# Altium PCB RockerBox_Rev01.PcbDoc (part 8 of 8)
Units mil, origin at the board's own origin, x right, y up, seen from the top; angles counter-clockwise.
Board outline 5354.33 x 8818.9 mil, 4 copper layers (L1, L2, L3, L4), stack 62.087 mil thick; 579 components, 159 nets, 3624 pads, 3252 vias.
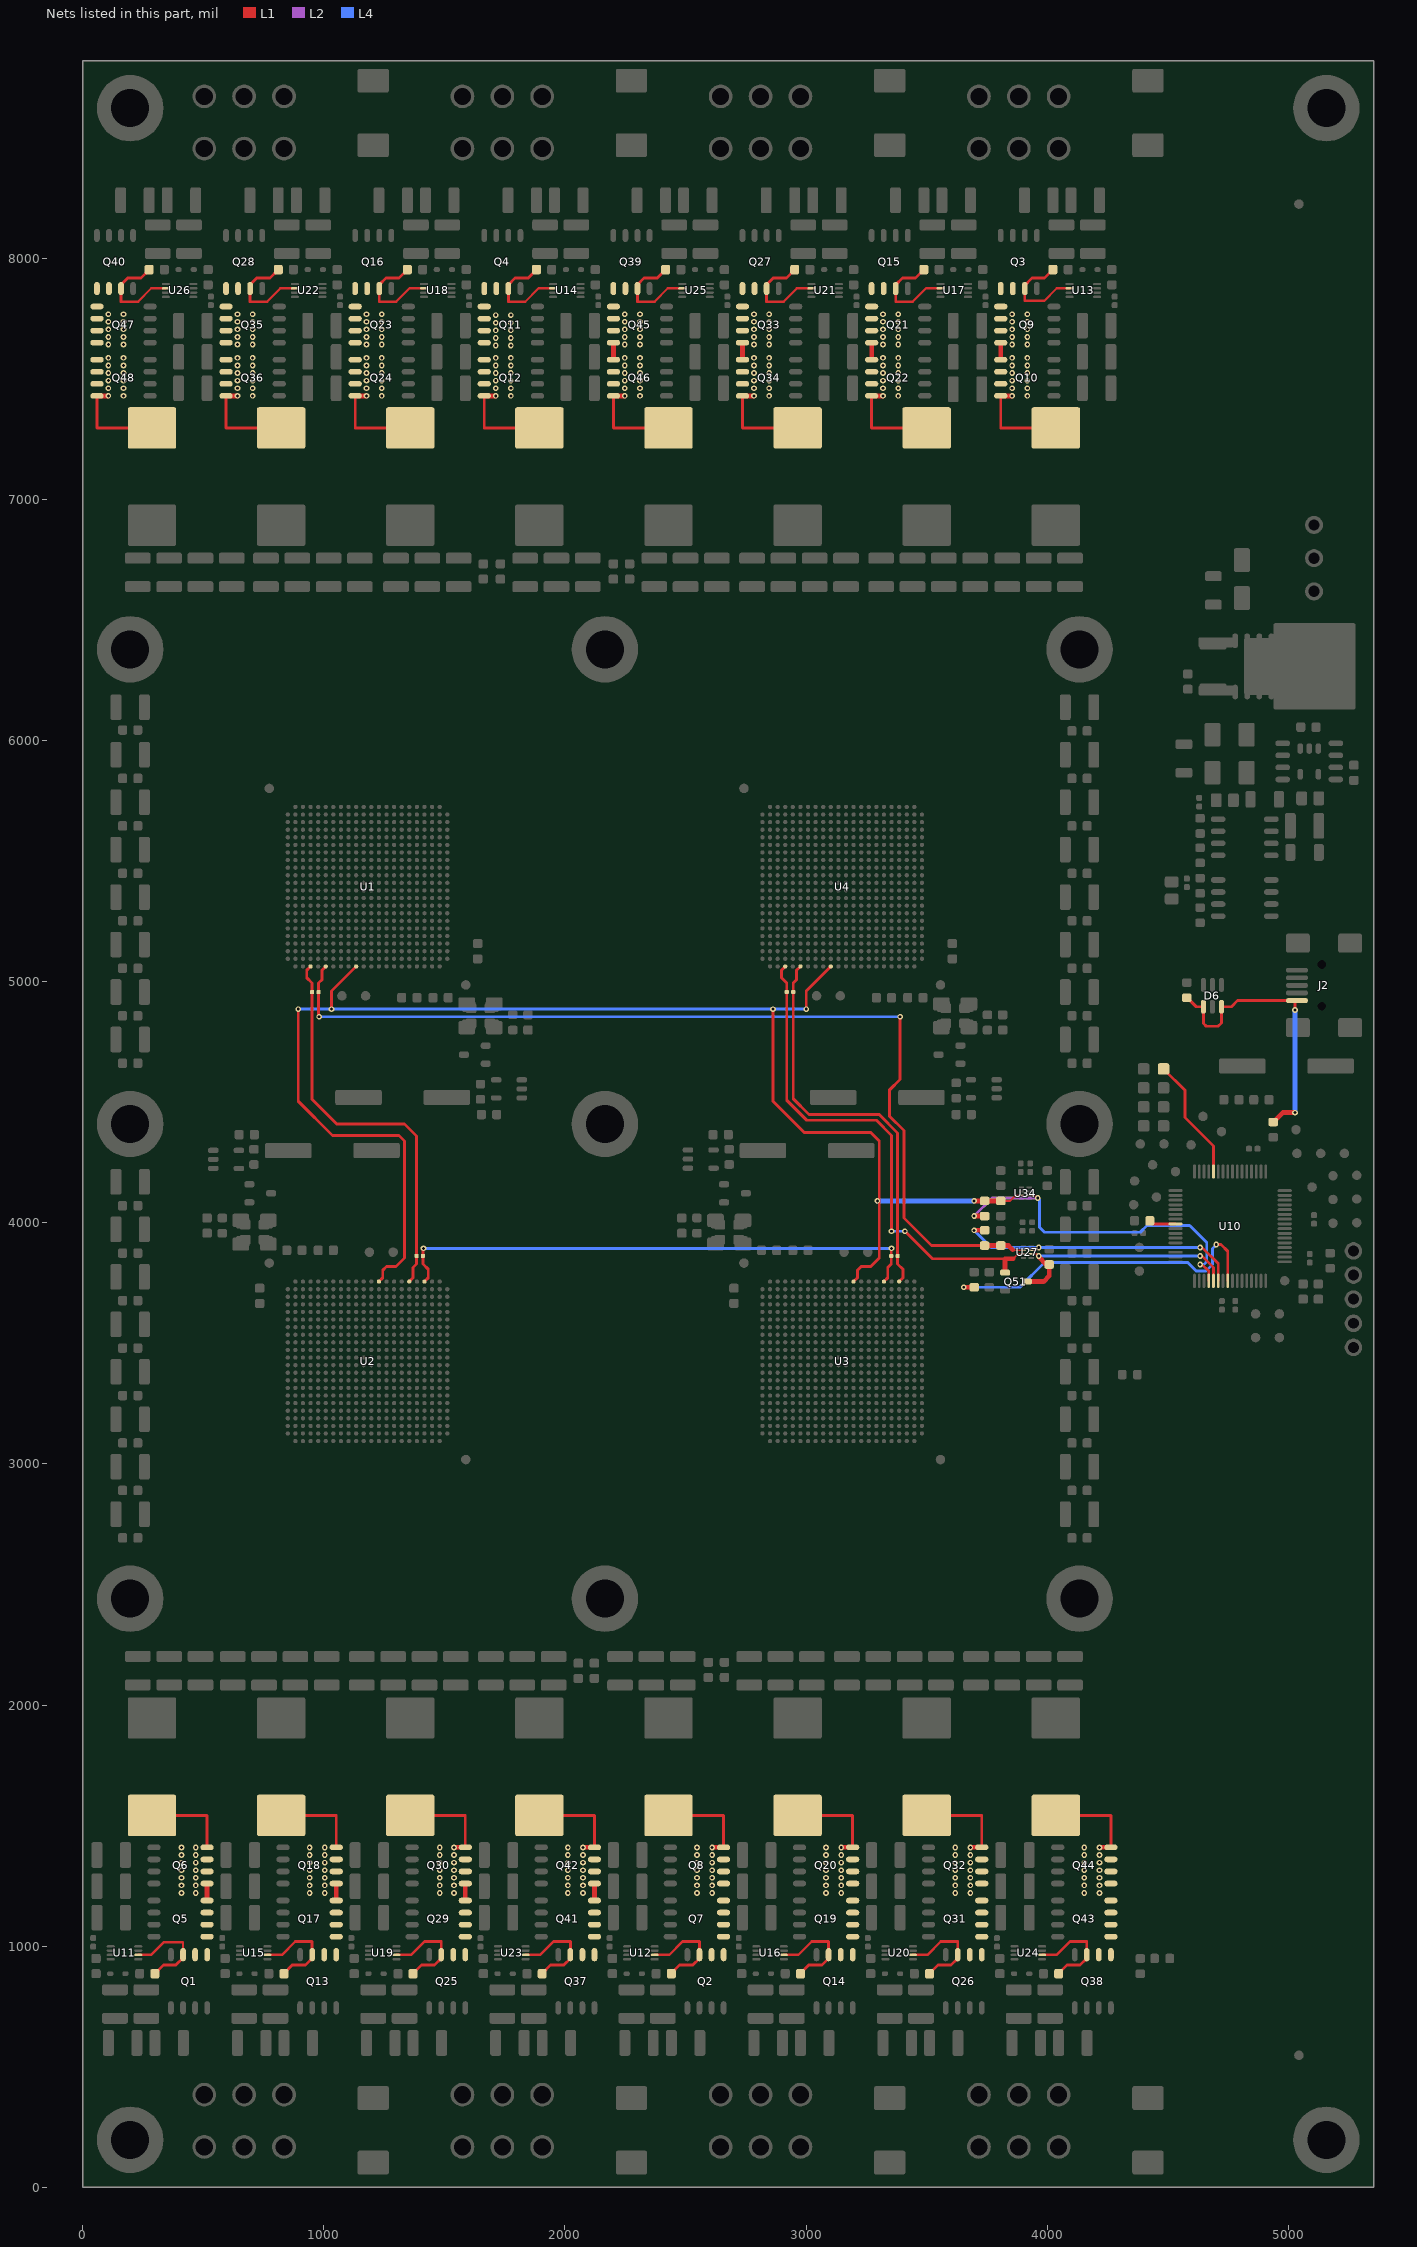
[diagram p10: the nets of this part, all layers, seen from the top]

## Via types
v1: diameter 17.72/17.72/17.72/17.72 (per signal layer), hole 7.87, L1 to L4, 1853 vias
v2: diameter 23.62/23.62/23.62/23.62 (per signal layer), hole 11.81, L1 to L4, 1399 vias

## Nets (pads, with @x,y where several pads share a name; then routed paths per layer and width w, separated by ;. In a path a pad name is that pad's centre, name@x,y a point inside that pad or via, vN(x,y) a via of type N, cw(c..) or ccw(c..) an arc to the next point about the centre after c; other vN are vias at no path point) (continued)
RESET_PIC: R21.2 U10.8 | length 1414.1
  L1 w11.81: v2(4700.98,3909.45) 4720.67,3909.45 4748.33,3881.79 U10.8@4748.33,3759.18
  L1 w19.68: v2(3653.54,3732.28) R21.2@3696.85,3732.28
  L4 w11.81: v2(3653.54,3732.28) 3885.83,3732.28 3988.19,3834.65 4582.68,3834.65 4618.11,3799.21 4657.68,3799.21 4685.24,3826.77 4685.24,3893.7 v2(4700.98,3909.45)
SER_CLK: R7.1 R8.1 U1.N22 U2.N22 U3.N22 U4.N22 U34.3 | length 6244.1
  L1 w7.87: R8.1@3807.28,4090.55 3846.46,4090.55 3870.08,4114.17 U34.3@3893.7,4114.17
  L1 w11.81: v2(893.9,4885.83) 893.9,4503.94 1035.63,4362.2 1311.22,4362.2 1334.84,4338.58 1334.84,3854.33 1299.41,3818.9 1259.84,3818.9 1244.09,3803.15 1244.09,3771.65 U2.N22@1228.35,3755.91 ; v2(1031.69,4885.83) 1031.69,4960.83 U1.N22@1133.86,5062.99 ; v2(2862.4,4885.83) 2862.4,4503.94 2992.32,4374.02 3267.91,4374.02 3303.35,4338.58 v2@3303.35,4090.55 ; v2(3000.2,4885.83) 3000.2,4960.83 U4.N22@3102.36,5062.99 ; U3.N22@3196.85,3755.91 3212.6,3771.65 3212.6,3803.15 3228.35,3818.9 3267.91,3818.9 3303.35,3854.33 v2@3303.35,4090.55 ; v2(3295.28,4090.55) v2@3303.35,4090.55
  L1 w19.68: v2(3696.85,4090.55) R8.1@3807.28,4090.55
  L4 w11.81: v2(893.9,4885.83) v2(1031.69,4885.83) v2(2862.4,4885.83) v2(3000.2,4885.83)
  L4 w19.68: v2(3295.28,4090.55) v2(3696.85,4090.55)
SER_CLK_PIC: R7.2 U10.4 U34.6 | length 1443.6
  L1 w7.87: U34.6@3925.2,4114.17 3948.82,4114.17 v2(3960.63,4102.36)
  L1 w11.81: v2(4634.06,3826.77) 4641.93,3826.77 4669.49,3799.21 U10.4@4669.59,3759.18
  L1 w19.68: v2(3696.85,4027.56) R7.2@3740.35,4027.56
  L2 w11.81: v2(3696.85,4027.56) 3771.65,4102.36 v2(3960.63,4102.36)
  L4 w11.81: v2(3960.63,4102.36) 3968.5,4094.49 3968.5,3980.31 3988.19,3960.63 4385.83,3960.63 4413.39,3988.19 4590.55,3988.19 4661.42,3917.32 4661.42,3838.58 4649.61,3826.77 v2(4634.06,3826.77)
SWN1: C28.2 L1.1 Q1.1 Q1.2 Q1.3 Q5.5 Q5.6 Q5.7 Q5.8 Q6.5 Q6.6 Q6.7 Q6.8 U11.2 | length 848.1
  L1 w9.84: U11.2@230.31,963.58 283.46,963.58 335.63,1015.75 415.94,1015.75 Q1.3@415.94,964.57
  L1 w11.81: L1.1@287.4,1542.32 515.75,1542.32 Q6.8@515.75,1409.65 ; C28.2@299.21,885.83 334.65,921.26 385.83,921.26 417.32,952.76 417.32,963.19 Q1.3@415.94,964.57
  L1 w19.68: Q5.8@515.75,1189.17 Q6.5@515.75,1259.66
  other v2: 409.45,1220.47 468.5,1220.47 409.45,1251.97 468.5,1251.97 409.45,1283.46 468.5,1283.46 409.45,1314.96 468.5,1314.96 409.45,1346.46 468.5,1346.46 409.45,1377.95 468.5,1377.95 409.45,1409.45 468.5,1409.45
SWN2: C60.2 L5.1 Q13.1 Q13.2 Q13.3 Q17.5 Q17.6 Q17.7 Q17.8 Q18.5 Q18.6 Q18.7 Q18.8 U15.2 | length 854
  L1 w9.84: U15.2@765.75,963.58 825.79,963.58 881.4,1019.19
  L1 w11.81: L5.1@822.83,1542.32 1051.18,1542.32 Q18.8@1051.18,1409.65 ; C60.2@834.65,885.83 834.65,886.81 869.09,921.26 923.82,921.26 951.38,948.82 Q13.3@951.38,964.57 951.38,1019.19 881.4,1019.19
  L1 w19.68: Q17.8@1051.18,1189.17 Q18.5@1051.18,1259.66
  other v2: 940.94,1220.47 1003.94,1220.47 940.94,1251.97 1003.94,1251.97 940.94,1283.46 1003.94,1283.46 940.94,1314.96 1003.94,1314.96 940.94,1346.46 1003.94,1346.46 940.94,1377.95 1003.94,1377.95 940.94,1409.45 1003.94,1409.45
SWN3: C92.2 L9.1 Q25.1 Q25.2 Q25.3 Q29.5 Q29.6 Q29.7 Q29.8 Q30.5 Q30.6 Q30.7 Q30.8 U19.2 | length 901.4
  L1 w9.84: U19.2@1301.18,963.58 1361.22,963.58 1416.83,1019.19
  L1 w11.81: L9.1@1358.27,1542.32 1586.61,1542.32 Q30.8@1586.61,1409.65 ; C92.2@1370.08,885.83 1370.08,886.81 1404.53,921.26 1459.25,921.26 1486.81,948.82 Q25.3@1486.81,964.57 1486.81,1019.19 1416.83,1019.19
  L1 w19.68: v2(1539.37,1409.45) 1539.37,1409.65 Q30.8@1586.61,1409.65 ; Q29.8@1586.61,1189.17 Q30.5@1586.61,1259.66
  other v2: 1480.31,1220.47 1539.37,1220.47 1480.31,1251.97 1539.37,1251.97 1480.31,1283.46 1539.37,1283.46 1480.31,1314.96 1539.37,1314.96 1480.31,1346.46 1539.37,1346.46 1480.31,1377.95 1539.37,1377.95 1480.31,1409.45
SWN4: C124.2 L13.1 Q37.1 Q37.2 Q37.3 Q41.5 Q41.6 Q41.7 Q41.8 Q42.5 Q42.6 Q42.7 Q42.8 U23.2 | length 901.4
  L1 w9.84: U23.2@1836.61,963.58 1896.65,963.58 1952.26,1019.19
  L1 w11.81: L13.1@1893.7,1542.32 2122.05,1542.32 Q42.8@2122.05,1409.65 ; C124.2@1905.51,885.83 1905.51,886.81 1939.96,921.26 1994.68,921.26 2022.24,948.82 Q37.3@2022.24,964.57 2022.24,1019.19 1952.26,1019.19
  L1 w19.68: v2(2074.8,1409.45) 2074.8,1409.65 Q42.8@2122.05,1409.65 ; Q41.8@2122.05,1189.17 Q42.5@2122.05,1259.66
  other v2: 2011.81,1220.47 2074.8,1220.47 2011.81,1251.97 2074.8,1251.97 2011.81,1283.46 2074.8,1283.46 2011.81,1314.96 2074.8,1314.96 2011.81,1346.46 2074.8,1346.46 2011.81,1377.95 2074.8,1377.95 2011.81,1409.45
SWN5: C29.2 L2.1 Q2.1 Q2.2 Q2.3 Q7.5 Q7.6 Q7.7 Q7.8 Q8.5 Q8.6 Q8.7 Q8.8 U12.2 | length 830.9
  L1 w9.84: U12.2@2372.05,963.58 2432.09,963.58 2487.7,1019.19
  L1 w11.81: L2.1@2429.13,1542.32 2657.48,1542.32 Q8.8@2657.48,1409.65 ; C29.2@2440.94,885.83 2440.94,886.81 2475.39,921.26 2530.12,921.26 2557.68,948.82 Q2.3@2557.68,964.57 2557.68,1019.19 2487.7,1019.19
  L1 w19.68: v2(2610.24,1409.45) 2610.24,1409.65 Q8.8@2657.48,1409.65
  other v2: 2547.24,1220.47 2610.24,1220.47 2547.24,1251.97 2610.24,1251.97 2547.24,1283.46 2610.24,1283.46 2547.24,1314.96 2610.24,1314.96 2547.24,1346.46 2610.24,1346.46 2547.24,1377.95 2610.24,1377.95 2547.24,1409.45
SWN6: C61.2 L6.1 Q14.1 Q14.2 Q14.3 Q19.5 Q19.6 Q19.7 Q19.8 Q20.5 Q20.6 Q20.7 Q20.8 U16.2 | length 830.8
  L1 w9.84: U16.2@2907.48,963.58 2967.52,963.58 3023.13,1019.19
  L1 w11.81: L6.1@2964.57,1542.32 3192.91,1542.32 Q20.8@3192.91,1409.65 ; C61.2@2976.38,885.83 2976.38,886.81 3010.83,921.26 3065.55,921.26 3093.11,948.82 Q14.3@3093.11,964.57 3093.11,1019.19 3023.13,1019.19
  L1 w19.68: v2(3145.67,1409.45) 3145.87,1409.65 Q20.8@3192.91,1409.65
  other v2: 3082.68,1220.47 3145.67,1220.47 3082.68,1251.97 3145.67,1251.97 3082.68,1283.46 3145.67,1283.46 3082.68,1314.96 3145.67,1314.96 3082.68,1346.46 3145.67,1346.46 3082.68,1377.95 3145.67,1377.95 3082.68,1409.45
SWN7: C93.2 L10.1 Q26.1 Q26.2 Q26.3 Q31.5 Q31.6 Q31.7 Q31.8 Q32.5 Q32.6 Q32.7 Q32.8 U20.2 | length 830.8
  L1 w9.84: U20.2@3442.91,963.58 3502.95,963.58 3558.56,1019.19
  L1 w11.81: L10.1@3500,1542.32 3728.35,1542.32 Q32.8@3728.35,1409.65 ; C93.2@3511.81,885.83 3511.81,886.81 3546.26,921.26 3600.98,921.26 3628.54,948.82 Q26.3@3628.54,964.57 3628.54,1019.19 3558.56,1019.19
  L1 w19.68: v2(3681.1,1409.45) 3681.3,1409.65 Q32.8@3728.35,1409.65
  other v2: 3618.11,1220.47 3681.1,1220.47 3618.11,1251.97 3681.1,1251.97 3618.11,1283.46 3681.1,1283.46 3618.11,1314.96 3681.1,1314.96 3618.11,1346.46 3681.1,1346.46 3618.11,1377.95 3681.1,1377.95 3618.11,1409.45
SWN8: C125.2 L14.1 Q38.1 Q38.2 Q38.3 Q43.5 Q43.6 Q43.7 Q43.8 Q44.5 Q44.6 Q44.7 Q44.8 U24.2 | length 830.8
  L1 w9.84: U24.2@3978.35,963.58 4038.39,963.58 4094,1019.19
  L1 w11.81: L14.1@4035.43,1542.32 4263.78,1542.32 Q44.8@4263.78,1409.65 ; C125.2@4047.24,885.83 4047.24,886.81 4081.69,921.26 4136.42,921.26 4163.98,948.82 Q38.3@4163.98,964.57 4163.98,1019.19 4094,1019.19
  L1 w19.68: v2(4216.54,1409.45) 4216.73,1409.65 Q44.8@4263.78,1409.65
  other v2: 4153.54,1220.47 4216.54,1220.47 4153.54,1251.97 4216.54,1251.97 4153.54,1283.46 4216.54,1283.46 4153.54,1314.96 4216.54,1314.96 4153.54,1346.46 4216.54,1346.46 4153.54,1377.95 4216.54,1377.95 4153.54,1409.45
SWN9: C30.2 L3.1 Q3.1 Q3.2 Q3.3 Q9.5 Q9.6 Q9.7 Q9.8 Q10.5 Q10.6 Q10.7 Q10.8 U13.2 | length 895.5
  L1 w9.84: Q3.3@3906.89,7874.02 3906.89,7822.83 3987.2,7822.83 4039.37,7875 U13.2@4092.52,7875
  L1 w11.81: Q10.8@3807.09,7428.94 3807.09,7296.26 L3.1@4035.43,7296.26 ; Q3.3@3906.89,7874.02 3905.51,7875.39 3905.51,7885.83 3937.01,7917.32 3988.19,7917.32 C30.2@4023.62,7952.76
  L1 w19.68: Q10.8@3807.09,7428.94 3854.13,7428.94 v2(3854.33,7429.13) ; Q10.5@3807.09,7578.92 Q9.8@3807.09,7649.41
  other v2: 3917.32,7429.13 3854.33,7460.63 3917.32,7460.63 3854.33,7492.13 3917.32,7492.13 3854.33,7523.62 3917.32,7523.62 3854.33,7555.12 3917.32,7555.12 3854.33,7586.61 3917.32,7586.61 3854.33,7641.73 3917.32,7641.73 3854.33,7673.23 3917.32,7673.23 3854.33,7704.72 3917.32,7704.72 3854.33,7736.22 3917.32,7736.22 3854.33,7767.72 3917.32,7767.72
SWN10: C62.2 L7.1 Q15.1 Q15.2 Q15.3 Q21.5 Q21.6 Q21.7 Q21.8 Q22.5 Q22.6 Q22.7 Q22.8 U17.2 | length 901.3
  L1 w9.84: 3441.44,7819.39 3497.05,7875 U17.2@3557.09,7875
  L1 w11.81: Q22.8@3271.65,7428.94 3271.65,7296.26 L7.1@3500,7296.26 ; 3441.44,7819.39 3371.46,7819.39 Q15.3@3371.46,7874.02 3371.46,7889.76 3399.02,7917.32 3453.74,7917.32 3488.19,7951.77 C62.2@3488.19,7952.76
  L1 w19.68: Q22.8@3271.65,7428.94 3318.7,7428.94 v2(3318.9,7429.13) ; Q22.5@3271.65,7578.92 Q21.8@3271.65,7649.41
  other v2: 3381.89,7429.13 3318.9,7460.63 3381.89,7460.63 3318.9,7492.13 3381.89,7492.13 3318.9,7523.62 3381.89,7523.62 3318.9,7555.12 3381.89,7555.12 3318.9,7586.61 3381.89,7586.61 3318.9,7641.73 3381.89,7641.73 3318.9,7673.23 3381.89,7673.23 3318.9,7704.72 3381.89,7704.72 3318.9,7736.22 3381.89,7736.22 3318.9,7767.72 3381.89,7767.72
SWN11: C94.2 L11.1 Q27.1 Q27.2 Q27.3 Q33.5 Q33.6 Q33.7 Q33.8 Q34.5 Q34.6 Q34.7 Q34.8 U21.2 | length 901.3
  L1 w9.84: 2906,7819.39 2961.61,7875 U21.2@3021.65,7875
  L1 w11.81: Q34.8@2736.22,7428.94 2736.22,7296.26 L11.1@2964.57,7296.26 ; 2906,7819.39 2836.02,7819.39 Q27.3@2836.02,7874.02 2836.02,7889.76 2863.58,7917.32 2918.31,7917.32 2952.76,7951.77 C94.2@2952.76,7952.76
  L1 w19.68: Q34.8@2736.22,7428.94 2783.27,7428.94 v2(2783.46,7429.13) ; Q34.5@2736.22,7578.92 Q33.8@2736.22,7649.41
  other v2: 2846.46,7429.13 2783.46,7460.63 2846.46,7460.63 2783.46,7492.13 2846.46,7492.13 2783.46,7523.62 2846.46,7523.62 2783.46,7555.12 2846.46,7555.12 2783.46,7586.61 2846.46,7586.61 2783.46,7641.73 2846.46,7641.73 2783.46,7673.23 2846.46,7673.23 2783.46,7704.72 2846.46,7704.72 2783.46,7736.22 2846.46,7736.22 2783.46,7767.72 2846.46,7767.72
SWN12: C126.2 L15.1 Q39.1 Q39.2 Q39.3 Q45.5 Q45.6 Q45.7 Q45.8 Q46.5 Q46.6 Q46.7 Q46.8 U25.2 | length 901.3
  L1 w9.84: 2370.57,7819.39 2426.18,7875 U25.2@2486.22,7875
  L1 w11.81: Q46.8@2200.79,7428.94 2200.79,7296.26 L15.1@2429.13,7296.26 ; 2370.57,7819.39 2300.59,7819.39 Q39.3@2300.59,7874.02 2300.59,7889.76 2328.15,7917.32 2382.87,7917.32 2417.32,7951.77 C126.2@2417.32,7952.76
  L1 w19.68: Q46.8@2200.79,7428.94 2247.83,7428.94 v2(2248.03,7429.13) ; Q46.5@2200.79,7578.92 Q45.8@2200.79,7649.41
  other v2: 2311.02,7429.13 2248.03,7460.63 2311.02,7460.63 2248.03,7492.13 2311.02,7492.13 2248.03,7523.62 2311.02,7523.62 2248.03,7555.12 2311.02,7555.12 2248.03,7586.61 2311.02,7586.61 2248.03,7641.73 2311.02,7641.73 2248.03,7673.23 2311.02,7673.23 2248.03,7704.72 2311.02,7704.72 2248.03,7736.22 2311.02,7736.22 2248.03,7767.72 2311.02,7767.72
SWN13: C31.2 L4.1 Q4.1 Q4.2 Q4.3 Q11.5 Q11.6 Q11.7 Q11.8 Q12.5 Q12.6 Q12.7 Q12.8 U14.2 | length 830.8
  L1 w9.84: 1835.14,7819.39 1890.75,7875 U14.2@1950.79,7875
  L1 w11.81: Q12.8@1665.35,7428.94 1665.35,7296.26 L4.1@1893.7,7296.26 ; 1835.14,7819.39 1765.16,7819.39 Q4.3@1765.16,7874.02 1765.16,7889.76 1792.72,7917.32 1847.44,7917.32 1881.89,7951.77 C31.2@1881.89,7952.76
  L1 w19.68: Q12.8@1665.35,7428.94 1712.4,7428.94 v2(1712.6,7429.13)
  other v2: 1775.59,7429.13 1712.6,7460.63 1775.59,7460.63 1712.6,7492.13 1775.59,7492.13 1712.6,7523.62 1775.59,7523.62 1712.6,7555.12 1775.59,7555.12 1712.6,7586.61 1775.59,7586.61 1712.6,7637.8 1775.59,7637.8 1712.6,7669.29 1775.59,7669.29 1712.6,7700.79 1775.59,7700.79 1712.6,7732.28 1775.59,7732.28 1712.6,7763.78 1775.59,7763.78
SWN14: C63.2 L8.1 Q16.1 Q16.2 Q16.3 Q23.5 Q23.6 Q23.7 Q23.8 Q24.5 Q24.6 Q24.7 Q24.8 U18.2 | length 830.8
  L1 w9.84: 1299.7,7819.39 1355.31,7875 U18.2@1415.35,7875
  L1 w11.81: Q24.8@1129.92,7428.94 1129.92,7296.26 L8.1@1358.27,7296.26 ; 1299.7,7819.39 1229.72,7819.39 Q16.3@1229.72,7874.02 1229.72,7889.76 1257.28,7917.32 1312.01,7917.32 1346.46,7951.77 C63.2@1346.46,7952.76
  L1 w19.68: Q24.8@1129.92,7428.94 1176.97,7428.94 v2(1177.17,7429.13)
  other v2: 1240.16,7429.13 1177.17,7460.63 1240.16,7460.63 1177.17,7492.13 1240.16,7492.13 1177.17,7523.62 1240.16,7523.62 1177.17,7555.12 1240.16,7555.12 1177.17,7586.61 1240.16,7586.61 1177.17,7641.73 1240.16,7641.73 1177.17,7673.23 1240.16,7673.23 1177.17,7704.72 1240.16,7704.72 1177.17,7736.22 1240.16,7736.22 1177.17,7767.72 1240.16,7767.72
SWN15: C95.2 L12.1 Q28.1 Q28.2 Q28.3 Q35.5 Q35.6 Q35.7 Q35.8 Q36.5 Q36.6 Q36.7 Q36.8 U22.2 | length 830.8
  L1 w9.84: 764.27,7819.39 819.88,7875 U22.2@879.92,7875
  L1 w11.81: Q36.8@594.49,7428.94 594.49,7296.26 L12.1@822.83,7296.26 ; 764.27,7819.39 694.29,7819.39 Q28.3@694.29,7874.02 694.29,7889.76 721.85,7917.32 776.57,7917.32 811.02,7951.77 C95.2@811.02,7952.76
  L1 w19.68: Q36.8@594.49,7428.94 641.54,7428.94 v2(641.73,7429.13)
  other v2: 704.72,7429.13 641.73,7460.63 704.72,7460.63 641.73,7492.13 704.72,7492.13 641.73,7523.62 704.72,7523.62 641.73,7555.12 704.72,7555.12 641.73,7586.61 704.72,7586.61 641.73,7641.73 704.72,7641.73 641.73,7673.23 704.72,7673.23 641.73,7704.72 704.72,7704.72 641.73,7736.22 704.72,7736.22 641.73,7767.72 704.72,7767.72
SWN16: C127.2 L16.1 Q40.1 Q40.2 Q40.3 Q47.5 Q47.6 Q47.7 Q47.8 Q48.5 Q48.6 Q48.7 Q48.8 U26.2 | length 830.8
  L1 w9.84: 228.84,7819.39 284.45,7875 U26.2@344.49,7875
  L1 w11.81: Q48.8@59.06,7428.94 59.06,7296.26 L16.1@287.4,7296.26 ; 228.84,7819.39 158.86,7819.39 Q40.3@158.86,7874.02 158.86,7889.76 186.42,7917.32 241.14,7917.32 275.59,7951.77 C127.2@275.59,7952.76
  L1 w19.68: Q48.8@59.06,7428.94 106.1,7428.94 v2(106.3,7429.13)
  other v2: 169.29,7429.13 106.3,7460.63 169.29,7460.63 106.3,7492.13 169.29,7492.13 106.3,7523.62 169.29,7523.62 106.3,7555.12 169.29,7555.12 106.3,7586.61 169.29,7586.61 106.3,7641.73 169.29,7641.73 106.3,7673.23 169.29,7673.23 106.3,7704.72 169.29,7704.72 106.3,7736.22 169.29,7736.22 106.3,7767.72 169.29,7767.72
TXD_0: R20.2 U10.6 U27.7 | length 1220.2
  L1 w7.87: U27.7@3933.27,3885.83 3952.76,3885.83 v2(3964.57,3897.64)
  L1 w11.81: v2(4633.86,3897.64) 4641.73,3897.64 4708.96,3830.41 U10.6@4708.96,3759.18
  L1 w19.68: v2(3696.85,3968.5) R20.2@3740.35,3968.5
  L4 w11.81: v2(3696.85,3968.5) 3767.72,3897.64 v2(3964.57,3897.64) v2(4633.86,3897.64)
TXD_1: R1.1 R20.1 R22.1 U1.U22 U27.2 | length 4061.6
  L1 w7.87: 3856.5,3887.8 3858.46,3885.83 U27.2@3901.77,3885.83
  L1 w11.81: v2(980.51,4854.33) 977.95,4854.33 R1.1@977.95,4956.69 977.95,4993.7 992.13,5007.87 992.13,5047.24 U1.U22@1007.87,5062.99 ; v2(3389.76,4854.33) 3389.76,4594.49 3346.46,4551.18 3346.46,4440.94 3405.51,4381.89 3405.51,4019.68 3519.68,3905.51 R20.1@3740.35,3905.51
  L1 w19.68: R20.1@3740.35,3905.51 3838.78,3905.51 3856.5,3887.8
  L4 w11.81: v2(980.51,4854.33) v2(3389.76,4854.33)
TXD_2: R1.2 R2.1 U1.W22 U2.U22 | length 1679.2
  L1 w11.81: U1.W22@944.88,5062.99 929.13,5047.24 929.13,5015.94 951.18,4993.9 R1.2@951.18,4956.69 951.18,4511.81 1053.54,4409.45 1334.65,4409.45 1384.25,4359.84 1384.25,3828.94 1370.08,3814.76 1370.08,3771.65 U2.U22@1354.33,3755.91
TXD_3: R2.2 R3.1 U2.W22 U3.U22 | length 2247.6
  L1 w11.81: v2(1413.39,3893.7) 1411.02,3893.7 R2.2@1411.02,3862.2 1411.02,3829.13 1433.07,3807.09 1433.07,3771.65 U2.W22@1417.32,3755.91 ; U3.U22@3322.83,3755.91 3338.58,3771.65 3338.58,3814.76 3352.76,3828.94 R3.1@3352.76,3862.2 3352.76,3892.13 v2(3354.33,3893.7)
  L4 w11.81: v2(1413.39,3893.7) v2(3354.33,3893.7)
TXD_4: R3.2 R19.1 U3.W22 U4.U22 | length 1685.2
  L1 w11.81: U4.U22@2976.38,5062.99 2960.63,5047.24 2960.63,5007.87 2946.46,4993.7 2946.46,4514.17 3011.81,4448.82 3303.15,4448.82 3379.53,4372.44 R3.2@3379.53,3862.2 3379.53,3829.13 3401.57,3807.09 3401.57,3771.65 U3.W22@3385.83,3755.91
TXD_5: Q51.1 R19.2 U4.W22 U27.3 | length 2123.4
  L1 w7.87: 3858.46,3850.39 3878.15,3870.08 U27.3@3901.77,3870.08
  L1 w11.81: U4.W22@2913.39,5062.99 2897.64,5047.24 2897.64,5015.94 2919.68,4993.9 R19.2@2919.68,4956.69 2919.68,4507.87 3002.36,4425.2 3291.34,4425.2 3354.33,4362.2 v2(3354.33,3964.57) ; v2(3409.45,3964.57) 3523.62,3850.39 3825,3850.39
  L1 w19.68: Q51.1@3825,3793.31 3825,3850.39 3858.46,3850.39
  L4 w11.81: v2(3354.33,3964.57) v2(3409.45,3964.57)
TXD_10: Q51.3 R18.2 U10.5 U27.6 | length 1049.9
  L1 w7.87: U27.6@3933.27,3870.08 3952.95,3870.08 v2@3964.57,3858.46 ; v2(3964.57,3862.2) v2@3964.57,3858.46 ; v2@3964.76,3858.27 v2@3964.57,3858.46
  L1 w11.81: v2(4633.86,3862.2) 4634.1,3861.97 4641.97,3861.97 4689.27,3814.67 U10.5@4689.27,3759.18
  L1 w19.68: Q51.3@3915.55,3755.91 3984.45,3755.91 4008.07,3779.53 R18.2@4008.07,3826.77 3996.26,3826.77 3964.76,3858.27 v2(3964.57,3862.2)
  L4 w11.81: v2(3964.57,3862.2) v2(4633.86,3862.2)
USB5.0V: D6.4 D6.6 J2.1 R10.1 R11.2 | length 1200.6
  L1 w11.81: R11.2@4578.74,4933.07 4580.71,4933.07 4618.11,4895.67 D6.4@4647.64,4895.67 4647.64,4826.77 4659.45,4814.96 4708.66,4814.96 4722.44,4828.74 D6.6@4722.44,4895.67 4763.78,4895.67 4789.37,4921.26 J2.1@5027.56,4921.26 ; v2(5027.56,4881.89) J2.1@5027.56,4921.26 ; J2.1@5035.43,4921.26 J2.1@5027.56,4921.26
  L1 w19.68: R10.1@4937.01,4417.32 4976.38,4456.69 v2(5027.56,4456.69)
  L4 w19.68: v2(5027.56,4456.69) v2(5027.56,4881.89)
VCAP: C2.1 U10.56 | length 112.3
  L1 w11.81: C2.1@4425.2,4007.87 4425.2,4006.89 4436.69,3995.4 U10.56@4531.79,3995.4
YELLOW: D3.2 U10.44 | length 511.6
  L1 w11.81: D3.2@4482.28,4637.8 4570.87,4549.21 4570.87,4437.01 4689.27,4318.6 U10.44@4689.27,4211.93
pads on no net: FID1.1 FID2.1 J2.4 J2.10 J2.11 U1.AA19 U1.AA20 U1.AA21 U1.AB19 U1.AB20 U1.AB21 U1.FID1 U1.FID2 U1.J22 U1.L22 U1.M22 U2.AA19 U2.AA20 U2.AA21 U2.AB19 U2.AB20 U2.AB21 U2.FID1 U2.FID2 U2.J22 U2.L22 U2.M22 U3.AA19 U3.AA20 U3.AA21 U3.AB19 U3.AB20 U3.AB21 U3.FID1 U3.FID2 U3.J22 U3.L22 U3.M22 U4.AA19 U4.AA20 U4.AA21 U4.AB19 U4.AB20 U4.AB21 U4.FID1 U4.FID2 U4.J22 U4.L22 U4.M22 U5.4 U6.2 U6.3 U6.4 U9.3 U9.4 U10.65 U10.66 U29.3 U29.4

## Polygon pours and split planes (outlines as drawn)
GND on L1 "L1-GND" (solid, remove dead copper, pour order 99): 3295.28,724.41 3295.28,677.17 3358.27,677.17 3413.39,622.05 3413.39,476.38 3539.37,476.38 3539.37,724.41
GND on L1 "L1-GND 1" (solid, remove dead copper, pour order 108): 251.97,7763.78 251.97,7417.32 275.59,7393.7 433.07,7393.7 433.07,7897.64 370.08,7897.64 370.08,7842.52 326.77,7842.52 326.77,7763.78
GND on L1 "L1-GND 2" (solid, remove dead copper, pour order 118): 1393.7,1074.8 1393.7,1421.26 1370.08,1444.88 1212.6,1444.88 1212.6,940.94 1275.59,940.94 1275.59,996.06 1318.9,996.06 1318.9,1074.8
SWN3 on L1 "L1-$1I88\SWN3" (solid, remove dead copper, pour order 126): 1425.2,921.26 1425.2,1417.32 1385.83,1456.69 1255.91,1456.69 1255.91,1629.92 1618.11,1629.92 1618.11,921.26
GND on L1 "L1-GND 3" (solid, remove dead copper, pour order 95): 3830.71,724.41 3830.71,677.17 3893.7,677.17 3948.82,622.05 3948.82,476.38 4074.8,476.38 4074.8,724.41
GND on L1 "L1-GND 4" (solid, remove dead copper, pour order 116): 1858.27,7763.78 1858.27,7417.32 1881.89,7393.7 2039.37,7393.7 2039.37,7897.64 1976.38,7897.64 1976.38,7842.52 1933.07,7842.52 1933.07,7763.78
GND on L1 "L1-GND 5" (solid, remove dead copper, pour order 140): 4133.86,2153.54 196.85,2153.54 196.85,6688.98 4133.86,6688.98
GND on L1 "L1-GND 6" (solid, remove dead copper, pour order 115): 3464.57,7763.78 3464.57,7417.32 3488.19,7393.7 3645.67,7393.7 3645.67,7897.64 3582.68,7897.64 3582.68,7842.52 3539.37,7842.52 3539.37,7763.78
GND on L1 "L1-GND 7" (solid, remove dead copper, pour order 142): -3.94,8822.83 5350.39,8822.83 5350.39,3.94 -3.94,3.94
GND on L1 "L1-GND 8" (solid, remove dead copper, pour order 93): 492.13,8114.17 492.13,8161.42 429.13,8161.42 374.02,8216.54 374.02,8362.2 248.03,8362.2 248.03,8114.17
GND on L1 "L1-GND 9" (solid, remove dead copper, pour order 97): 618.11,724.41 618.11,677.17 681.1,677.17 736.22,622.05 736.22,476.38 862.2,476.38 862.2,724.41
SWN8 on L1 "L1-$1I88\SWN8" (solid, remove dead copper, pour order 136): 4102.36,921.26 4102.36,1417.32 4062.99,1456.69 3933.07,1456.69 3933.07,1629.92 4295.28,1629.92 4295.28,921.26
GND on L1 "L1-GND 10" (solid, remove dead copper, pour order 101): 1027.56,8114.17 1027.56,8161.42 964.57,8161.42 909.45,8216.54 909.45,8362.2 783.46,8362.2 783.46,8114.17
SWN13 on L1 "L1-$1I88\SWN13" (solid, remove dead copper, pour order 133): 1826.77,7917.32 1826.77,7421.26 1866.14,7381.89 1996.06,7381.89 1996.06,7208.66 1633.86,7208.66 1633.86,7917.32
GND on L1 "L1-GND 11" (solid, remove dead copper, pour order 107): 4000,7763.78 4000,7417.32 4023.62,7393.7 4181.1,7393.7 4181.1,7897.64 4118.11,7897.64 4118.11,7842.52 4074.8,7842.52 4074.8,7763.78
GND on L1 "L1-GND 12" (solid, remove dead copper, pour order 105): 3169.29,8114.17 3169.29,8161.42 3106.3,8161.42 3051.18,8216.54 3051.18,8362.2 2925.2,8362.2 2925.2,8114.17
GND on L1 "L1-GND 13" (solid, remove dead copper, pour order 121): 2464.57,1074.8 2464.57,1421.26 2440.94,1444.88 2283.46,1444.88 2283.46,940.94 2346.46,940.94 2346.46,996.06 2389.76,996.06 2389.76,1074.8
SWN9 on L1 "L1-$1I88\SWN9" (solid, remove dead copper, pour order 134): 3968.5,7917.32 3968.5,7421.26 4007.87,7381.89 4137.8,7381.89 4137.8,7208.66 3775.59,7208.66 3775.59,7917.32
GND on L1 "L1-GND 14" (solid, remove dead copper, pour order 91): 1688.98,724.41 1688.98,677.17 1751.97,677.17 1807.09,622.05 1807.09,476.38 1933.07,476.38 1933.07,724.41
12V on L1 "L1-12V" (solid, remove dead copper, pour order 139): 0,905.51 4507.87,905.51 4507.87,0 0,0
GND on L1 "L1-GND 15" (solid, remove dead copper, pour order 109): 2393.7,7763.78 2393.7,7417.32 2417.32,7393.7 2574.8,7393.7 2574.8,7897.64 2511.81,7897.64 2511.81,7842.52 2468.5,7842.52 2468.5,7763.78
GND on L1 "L1-GND 16" (solid, remove dead copper, pour order 87): 2169.29,165.35 2381.89,165.35 2381.89,3.94 2169.29,3.94
12V on L1 "L1-12V 1" (solid, remove dead copper, pour order 138): 4503.94,7933.07 3.94,7933.07 3.94,8814.96 4503.94,8814.96
GND on L1 "L1-GND 17" (solid, remove dead copper, pour order 100): 1562.99,8114.17 1562.99,8161.42 1500,8161.42 1444.88,8216.54 1444.88,8362.2 1318.9,8362.2 1318.9,8114.17
SWN5 on L1 "L1-$1I88\SWN5" (solid, remove dead copper, pour order 137): 2496.06,921.26 2496.06,1417.32 2456.69,1456.69 2326.77,1456.69 2326.77,1629.92 2688.98,1629.92 2688.98,921.26
GND on L1 "L1-GND 18" (solid, remove dead copper, pour order 98): 2098.43,8114.17 2098.43,8161.42 2035.43,8161.42 1980.31,8216.54 1980.31,8362.2 1854.33,8362.2 1854.33,8114.17
GND on L1 "L1-GND 19" (solid, remove dead copper, pour order 85): 3240.16,165.35 3452.76,165.35 3452.76,3.94 3240.16,3.94
SWN1 on L1 "L1-$1I88\SWN1" (solid, remove dead copper, pour order 132): 354.33,921.26 354.33,1417.32 314.96,1456.69 185.04,1456.69 185.04,1629.92 547.24,1629.92 547.24,921.26
GND on L1 "L1-GND 20" (solid, remove dead copper, pour order 92): 4240.16,8114.17 4240.16,8161.42 4177.17,8161.42 4122.05,8216.54 4122.05,8362.2 3996.06,8362.2 3996.06,8114.17
GND on L1 "L1-GND 21" (solid, remove dead copper, pour order 102): 1153.54,724.41 1153.54,677.17 1216.54,677.17 1271.65,622.05 1271.65,476.38 1397.64,476.38 1397.64,724.41
GND on L1 "L1-GND 22" (solid, remove dead copper, pour order 94): 82.68,724.41 82.68,677.17 145.67,677.17 200.79,622.05 200.79,476.38 326.77,476.38 326.77,724.41
GND on L1 "L1-GND 23" (solid, remove dead copper, pour order 84): 2381.89,8657.48 2169.29,8657.48 2169.29,8818.9 2381.89,8818.9
SWN10 on L1 "L1-$1I88\SWN10" (solid, remove dead copper, pour order 123): 3433.07,7917.32 3433.07,7421.26 3472.44,7381.89 3602.36,7381.89 3602.36,7208.66 3240.16,7208.66 3240.16,7917.32
GND on L1 "L1-GND 24" (solid, remove dead copper, pour order 96): 2224.41,724.41 2224.41,677.17 2287.4,677.17 2342.52,622.05 2342.52,476.38 2468.5,476.38 2468.5,724.41
GND on L1 "L1-GND 25" (solid, remove dead copper, pour order 120): 858.27,1074.8 858.27,1421.26 834.65,1444.88 677.17,1444.88 677.17,940.94 740.16,940.94 740.16,996.06 783.46,996.06 783.46,1074.8
GND on L1 "L1-GND 26" (solid, remove dead copper, pour order 88): 3452.76,8657.48 3240.16,8657.48 3240.16,8818.9 3452.76,8818.9
GND on L1 "L1-GND 27" (solid, remove dead copper, pour order 89): 4523.62,8657.48 4311.02,8657.48 4311.02,8818.9 4523.62,8818.9
GND on L1 "L1-GND 28" (solid, remove dead copper, pour order 114): 1322.83,7763.78 1322.83,7417.32 1346.46,7393.7 1503.94,7393.7 1503.94,7897.64 1440.94,7897.64 1440.94,7842.52 1397.64,7842.52 1397.64,7763.78
SWN11 on L1 "L1-$1I88\SWN11" (solid, remove dead copper, pour order 130): 2897.64,7917.32 2897.64,7421.26 2937.01,7381.89 3066.93,7381.89 3066.93,7208.66 2704.72,7208.66 2704.72,7917.32
SWN4 on L1 "L1-$1I88\SWN4" (solid, remove dead copper, pour order 127): 1960.63,921.26 1960.63,1417.32 1921.26,1456.69 1791.34,1456.69 1791.34,1629.92 2153.54,1629.92 2153.54,921.26
SWN16 on L1 "L1-$1I88\SWN16" (solid, remove dead copper, pour order 135): 220.47,7917.32 220.47,7421.26 259.84,7381.89 389.76,7381.89 389.76,7208.66 27.56,7208.66 27.56,7917.32
GND on L1 "L1-GND 29" (solid, remove dead copper, pour order 113): 2929.13,7763.78 2929.13,7417.32 2952.76,7393.7 3110.24,7393.7 3110.24,7897.64 3047.24,7897.64 3047.24,7842.52 3003.94,7842.52 3003.94,7763.78
GND on L1 "L1-GND 30" (solid, remove dead copper, pour order 110): 4070.87,1074.8 4070.87,1421.26 4047.24,1444.88 3889.76,1444.88 3889.76,940.94 3952.76,940.94 3952.76,996.06 3996.06,996.06 3996.06,1074.8
GND on L1 "L1-GND 31" (solid, remove dead copper, pour order 83): 1311.02,8657.48 1098.43,8657.48 1098.43,8818.9 1311.02,8818.9
SWN6 on L1 "L1-$1I88\SWN6" (solid, remove dead copper, pour order 124): 3031.5,921.26 3031.5,1417.32 2992.13,1456.69 2862.2,1456.69 2862.2,1629.92 3224.41,1629.92 3224.41,921.26
SWN2 on L1 "L1-$1I88\SWN2" (solid, remove dead copper, pour order 122): 889.76,921.26 889.76,1417.32 850.39,1456.69 720.47,1456.69 720.47,1629.92 1082.68,1629.92 1082.68,921.26
SWN14 on L1 "L1-$1I88\SWN14" (solid, remove dead copper, pour order 125): 1291.34,7917.32 1291.34,7421.26 1330.71,7381.89 1460.63,7381.89 1460.63,7208.66 1098.43,7208.66 1098.43,7917.32
SWN12 on L1 "L1-$1I88\SWN12" (solid, remove dead copper, pour order 128): 2362.2,7917.32 2362.2,7421.26 2401.57,7381.89 2531.5,7381.89 2531.5,7208.66 2169.29,7208.66 2169.29,7917.32
SWN7 on L1 "L1-$1I88\SWN7" (solid, remove dead copper, pour order 129): 3566.93,921.26 3566.93,1417.32 3527.56,1456.69 3397.64,1456.69 3397.64,1629.92 3759.84,1629.92 3759.84,921.26
1V on L1 "L1-1V" (solid, remove dead copper, pour order 141): 4330.71,1062.99 0,1062.99 0,7755.91 4330.71,7755.91
GND on L1 "L1-GND 32" (solid, remove dead copper, pour order 103): 3704.72,8114.17 3704.72,8161.42 3641.73,8161.42 3586.61,8216.54 3586.61,8362.2 3460.63,8362.2 3460.63,8114.17
GND on L1 "L1-GND 33" (solid, remove dead copper, pour order 90): 2633.86,8114.17 2633.86,8161.42 2570.87,8161.42 2515.75,8216.54 2515.75,8362.2 2389.76,8362.2 2389.76,8114.17
GND on L1 "L1-GND 34" (solid, remove dead copper, pour order 112): 322.83,1074.8 322.83,1421.26 299.21,1444.88 141.73,1444.88 141.73,940.94 204.72,940.94 204.72,996.06 248.03,996.06 248.03,1074.8
GND on L1 "L1-GND 35" (solid, remove dead copper, pour order 104): 2759.84,724.41 2759.84,677.17 2822.83,677.17 2877.95,622.05 2877.95,476.38 3003.94,476.38 3003.94,724.41
GND on L1 "L1-GND 36" (solid, remove dead copper, pour order 111): 1929.13,1074.8 1929.13,1421.26 1905.51,1444.88 1748.03,1444.88 1748.03,940.94 1811.02,940.94 1811.02,996.06 1854.33,996.06 1854.33,1074.8
GND on L1 "L1-GND 37" (solid, remove dead copper, pour order 82): 4311.02,165.35 4523.62,165.35 4523.62,3.94 4311.02,3.94
GND on L1 "L1-GND 38" (solid, remove dead copper, pour order 117): 3535.43,1074.8 3535.43,1421.26 3511.81,1444.88 3354.33,1444.88 3354.33,940.94 3417.32,940.94 3417.32,996.06 3460.63,996.06 3460.63,1074.8
SWN15 on L1 "L1-$1I88\SWN15" (solid, remove dead copper, pour order 131): 755.91,7917.32 755.91,7421.26 795.28,7381.89 925.2,7381.89 925.2,7208.66 562.99,7208.66 562.99,7917.32
GND on L1 "L1-GND 39" (solid, remove dead copper, pour order 119): 3000,1074.8 3000,1421.26 2976.38,1444.88 2818.9,1444.88 2818.9,940.94 2881.89,940.94 2881.89,996.06 2925.2,996.06 2925.2,1074.8
GND on L1 "L1-GND 40" (solid, remove dead copper, pour order 86): 1098.43,165.35 1311.02,165.35 1311.02,3.94 1098.43,3.94
GND on L1 "L1-GND 41" (solid, remove dead copper, pour order 106): 787.4,7763.78 787.4,7417.32 811.02,7393.7 968.5,7393.7 968.5,7897.64 905.51,7897.64 905.51,7842.52 862.2,7842.52 862.2,7763.78
GND on L4 "L4-GND" (solid, remove dead copper, pour order 162): 0,8818.9 5354.33,8818.9 5354.33,0 0,0
SWN16 on L4 "L4-$1I88\SWN16" (solid, remove dead copper, pour order 159): 299.21,7917.32 299.21,7381.89 389.76,7381.89 389.76,7208.66 27.56,7208.66 27.56,7917.32
SWN7 on L4 "L4-$1I88\SWN7" (solid, remove dead copper, pour order 148): 3488.19,1169.29 3488.19,1456.69 3397.64,1456.69 3397.64,1629.92 3759.84,1629.92 3759.84,1169.29
SWN5 on L4 "L4-$1I88\SWN5" (solid, remove dead copper, pour order 153): 2417.32,1169.29 2417.32,1456.69 2326.77,1456.69 2326.77,1629.92 2688.98,1629.92 2688.98,1169.29
SWN3 on L4 "L4-$1I88\SWN3" (solid, remove dead copper, pour order 147): 1346.46,1169.29 1346.46,1456.69 1255.91,1456.69 1255.91,1629.92 1618.11,1629.92 1618.11,1169.29
SWN15 on L4 "L4-$1I88\SWN15" (solid, remove dead copper, pour order 155): 834.65,7917.32 834.65,7381.89 925.2,7381.89 925.2,7208.66 562.99,7208.66 562.99,7917.32
SWN1 on L4 "L4-$1I88\SWN1" (solid, remove dead copper, pour order 151): 275.59,1169.29 275.59,1456.69 185.04,1456.69 185.04,1629.92 547.24,1629.92 547.24,1169.29
SWN6 on L4 "L4-$1I88\SWN6" (solid, remove dead copper, pour order 146): 2952.76,1169.29 2952.76,1456.69 2862.2,1456.69 2862.2,1629.92 3224.41,1629.92 3224.41,1169.29
SWN14 on L4 "L4-$1I88\SWN14" (solid, remove dead copper, pour order 157): 1370.08,7917.32 1370.08,7381.89 1460.63,7381.89 1460.63,7208.66 1098.43,7208.66 1098.43,7917.32
SWN8 on L4 "L4-$1I88\SWN8" (solid, remove dead copper, pour order 152): 4023.62,1169.29 4023.62,1456.69 3933.07,1456.69 3933.07,1629.92 4295.28,1629.92 4295.28,1169.29
SWN11 on L4 "L4-$1I88\SWN11" (solid, remove dead copper, pour order 156): 2976.38,7917.32 2976.38,7381.89 3066.93,7381.89 3066.93,7208.66 2704.72,7208.66 2704.72,7917.32
SWN2 on L4 "L4-$1I88\SWN2" (solid, remove dead copper, pour order 149): 811.02,1169.29 811.02,1456.69 720.47,1456.69 720.47,1629.92 1082.68,1629.92 1082.68,1169.29
SWN12 on L4 "L4-$1I88\SWN12" (solid, remove dead copper, pour order 158): 2440.94,7917.32 2440.94,7381.89 2531.5,7381.89 2531.5,7208.66 2169.29,7208.66 2169.29,7917.32
SWN10 on L4 "L4-$1I88\SWN10" (solid, remove dead copper, pour order 154): 3511.81,7917.32 3511.81,7381.89 3602.36,7381.89 3602.36,7208.66 3240.16,7208.66 3240.16,7917.32
SWN13 on L4 "L4-$1I88\SWN13" (solid, remove dead copper, pour order 160): 1905.51,7917.32 1905.51,7381.89 1996.06,7381.89 1996.06,7208.66 1633.86,7208.66 1633.86,7917.32
SWN9 on L4 "L4-$1I88\SWN9" (solid, remove dead copper, pour order 161): 4047.24,7917.32 4047.24,7381.89 4137.8,7381.89 4137.8,7208.66 3775.59,7208.66 3775.59,7917.32
SWN4 on L4 "L4-$1I88\SWN4" (solid, remove dead copper, pour order 150): 1881.89,1169.29 1881.89,1456.69 1791.34,1456.69 1791.34,1629.92 2153.54,1629.92 2153.54,1169.29
12V on L3 "L3-12V" (solid, remove dead copper, pour order 145): 0,8818.9 5354.33,8818.9 5354.33,0 0,0
1V on L3 "L3-1V" (solid, remove dead copper, pour order 144): 0,1062.99 4330.71,1062.99 4330.71,7755.91 0,7755.91
GND on L2 "L2-GND" (solid, remove dead copper, pour order 143): 0,0 5354.33,0 5354.33,8818.9 0,8818.9

## Keep-outs
Keep-Out Layer:
  the board outline again, w7.87

## Other copper
Multi-Layer:
  lines w1.97: -822.83,-954.72 -822.83,-960.63 -816.93,-960.63
  lines w3.94: -625.98,-468.5 -429.13,-468.5 6854.33,-468.5 ; -625.98,1303.15 -429.13,1303.15 -429.13,-763.78 ; -625.98,2918.82 -429.13,2918.82 ; -625.98,4887.32 -429.13,4887.32 ; -625.98,6855.82 -429.13,6855.82 ; -625.98,8825.82 -429.13,8825.82 ; -429.13,10535.43 -429.13,-763.78 ; -419.29,-763.78 6854.33,-763.78 ; 6854.33,1303.15 6854.33,-763.78 ; -429.13,-763.78 6854.33,-763.78 ; -429.13,-763.78 -625.98,-763.78 -625.98,10535.43 6854.33,10535.43 6854.33,-763.78 ; -429.13,-763.78 6854.33,-763.78 ; -429.13,-763.78 6854.33,-763.78
  text "Printed copies of this document are uncontrolled and may NOT be current. All information is strictly CONFIDENTIAL." at -403.54,-568.9 h41.34
  text "IMI Group reserves all rights even in the event of industrial property rights." at 3852.36,-568.9 h41.34
  text "We reserve all rights of disposal such as copying and passing on to third parties." at -405.51,-704.72 h41.34

## Silkscreen, mask and mechanical layers (free items; w line width, h text height)
26_Silkscreen Top:
  text "TECHNOBIT" at 5197.69,7073.82 h118.11 r90
28_Solder Mask Bottom:
  region: 157.48,3031.5 4173.23,3031.5 4173.23,2086.61 157.48,2086.61 157.48,3031.5
  region: 157.48,6771.65 4173.23,6771.65 4173.23,5826.77 157.48,5826.77 157.48,6771.65

## Text inside footprints (layer, text, board x,y; h text height)
J1: Top Assy "1" at 5232.29,3921.63 h19.68 r270; Top Assy "5" at 5232.29,3455.38 h19.68 r270
J2: Top Assy "1" at 5114.17,4918.92 h19.68 r90; Top Assy "5" at 5114.17,5042.65 h19.68 r90
J3: Top Assy "1" at 5118.11,6562.62 h19.68 r90; Top Assy "3" at 5118.11,6938.32 h19.68 r90
J4: Top Assy "6" at 1519.87,375.98 h19.68 r180; Top Assy "3" at 1520.34,181.1 h19.68 r180; Top Assy "4" at 1977.5,375.98 h19.68 r180; Top Assy "1" at 1972.82,181.1 h19.68 r180
J5: Top Assy "6" at 449,375.98 h19.68 r180; Top Assy "3" at 449.47,181.1 h19.68 r180; Top Assy "4" at 906.63,375.98 h19.68 r180; Top Assy "1" at 901.95,181.1 h19.68 r180
J6: Top Assy "6" at 3031.31,8462.6 h19.68; Top Assy "3" at 3030.84,8657.48 h19.68; Top Assy "4" at 2573.68,8462.6 h19.68; Top Assy "1" at 2578.37,8657.48 h19.68
J7: Top Assy "6" at 4102.18,8462.6 h19.68; Top Assy "3" at 4101.71,8657.48 h19.68; Top Assy "4" at 3644.55,8462.6 h19.68; Top Assy "1" at 3649.23,8657.48 h19.68
J8: Top Assy "6" at 1960.44,8462.6 h19.68; Top Assy "3" at 1959.98,8657.48 h19.68; Top Assy "4" at 1502.81,8462.6 h19.68; Top Assy "1" at 1507.5,8657.48 h19.68
J10: Top Assy "6" at 889.58,8462.6 h19.68; Top Assy "3" at 889.11,8657.48 h19.68; Top Assy "4" at 431.95,8462.6 h19.68; Top Assy "1" at 436.63,8657.48 h19.68
J11: Top Assy "6" at 2590.74,375.98 h19.68 r180; Top Assy "3" at 2591.21,181.1 h19.68 r180; Top Assy "4" at 3048.37,375.98 h19.68 r180; Top Assy "1" at 3043.68,181.1 h19.68 r180
J12: Top Assy "6" at 3661.6,375.98 h19.68 r180; Top Assy "3" at 3662.07,181.1 h19.68 r180; Top Assy "4" at 4119.23,375.98 h19.68 r180; Top Assy "1" at 4114.55,181.1 h19.68 r180